# Altium PCB graviton.PcbDoc (part 7 of 15)
Units mm, origin at the board's own origin, x right, y up, seen from the top; angles counter-clockwise.
Board outline 200 x 200 mm, 10 copper layers (TOP, POLYGON1, S1, POLYGON2, POLYGON3, POLYGON4, POLYGON5, S2, POLYGON6, BOT), stack 1.751 mm thick; 1317 components, 712 nets, 5121 pads, 3994 vias.
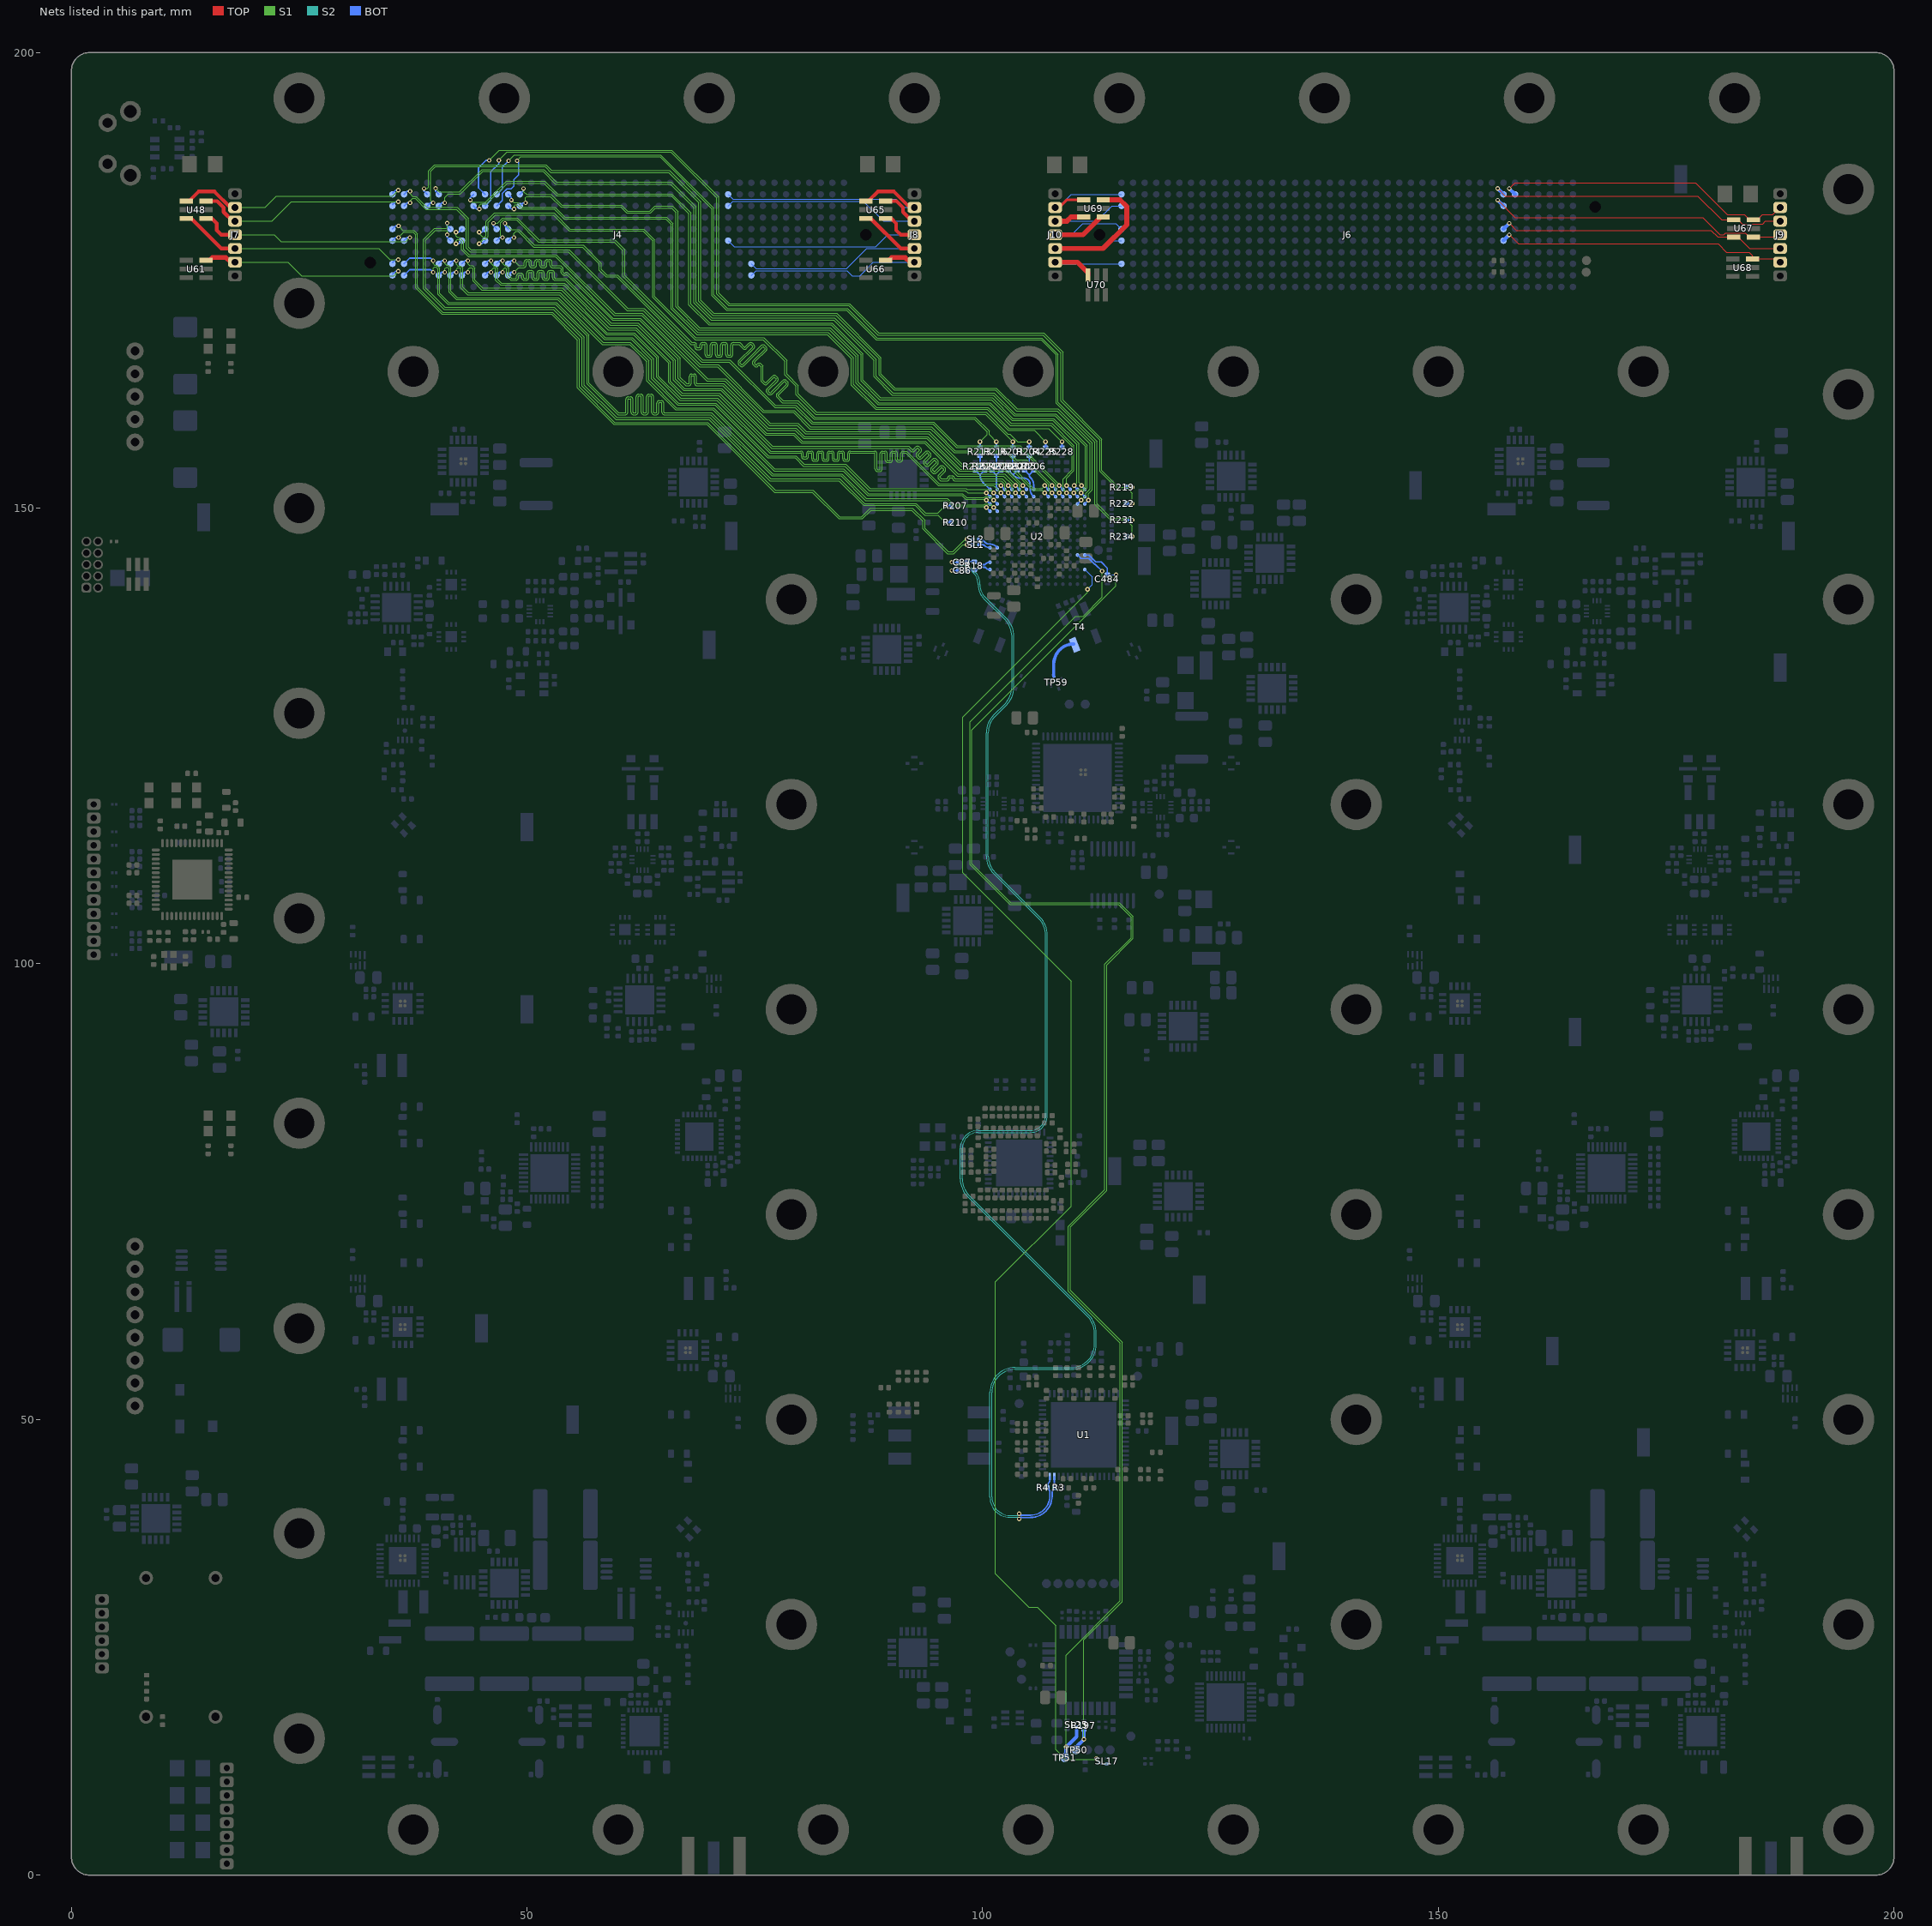
[diagram p15: the nets of this part, all layers, seen from the top]

## Via types
v1: diameter 0.75, hole 0.5, TOP to BOT, tented both sides, 2608 vias
v2: diameter 0.508, hole 0.254, TOP to BOT, tented both sides, 628 vias
v3: diameter 0.483, hole 0.254, TOP to BOT, tented both sides, 455 vias
v4: diameter 0.5, hole 0.3, TOP to BOT, tented both sides, 169 vias
v5: diameter 0.635, hole 0.254, TOP to BOT, tented both sides, 86 vias
v6: diameter 0.5, hole 0.254, TOP to BOT, tented both sides, 48 vias

## Nets (pads, with @x,y where several pads share a name; then routed paths per layer and width w, separated by ;. In a path a pad name is that pad's centre, name@x,y a point inside that pad or via, vN(x,y) a via of type N, cw(c..) or ccw(c..) an arc to the next point about the centre after c; other vN are vias at no path point) (continued)
D2_28_P: T4.4 TP59.A | length 4.8
  BOT w0.356: TP59.A@107.796,131.578 107.796,132.906 cw(c109.993,132.906) T4.4@109.993,135.103
D12_T_27_N: R216.1 R217.1 R218.2 U2.B1 | length 5.5
  BOT w0.178: R216.1@101.5,155.755 101.5,154.655 ; U2.B1@101.6,152.07 cw(c101.841,152.311) 101.5,152.311 101.5,153.655 ; 101.5,153.655 R218.2@102,154.155 101.5,154.655 ; 101.5,153.655 R217.1@101,154.155 101.5,154.655
D12_T_27_P: R213.1 R214.1 R215.2 U2.A1 | length 5.9
  BOT w0.178: R213.1@99.7,155.755 99.7,154.655 ; U2.A1@100.8,152.07 100.043,152.827 cw(c100.871,153.655) 99.7,153.655 ; 99.7,153.655 R215.2@99.2,154.155 99.7,154.655 ; 99.7,153.655 R214.1@100.2,154.155 99.7,154.655
DAC-CLK.C_2_N: C87.2 R4.1 U1.16 | length 144.2
  S2 w0.098: v3(96.6,144.075) 96.723,143.952 ccw(c97.3,144.528) 97.3,143.713 98.1,143.713 cw(c98.1,142.776) 98.763,143.438 99.15,143.05 cw(c97.824,141.724) 99.7,141.724 99.7,141.6 ccw(c101.629,141.6) 100.265,140.236 102.606,137.894 cw(c100.66,135.948) 103.413,135.948 103.413,130.353 cw(c100.66,130.353) 102.606,128.406 101.344,127.144 ccw(c103.14,125.348) 100.6,125.348 100.6,111.853 ccw(c103.14,111.853) 101.344,110.057 106.294,105.107 cw(c104.347,103.161) 107.1,103.161 107.1,83.387 cw(c105.213,83.387) 105.213,81.5 99.5,81.5 ccw(c99.5,79.75) 97.75,79.75 97.75,76.403 ccw(c100.29,76.403) 98.494,74.607 111.656,61.444 cw(c109.71,59.498) 112.463,59.498 112.463,58.253 cw(c109.71,58.253) 109.71,55.5 103.54,55.5 ccw(c103.54,52.96) 101,52.96 101,41.48 ccw(c103,41.48) 103,39.48 103.821,39.48 ccw(c103.821,39.659) v3(104,39.659)
  BOT w0.159: v3(96.6,144.075) 96.605,144.07 C87.2@97.349,144.07 ; v3(104,39.659) ccw(c104.159,39.659) 104.159,39.5 105.25,39.5 ccw(c105.25,41.614) 107.364,41.614 107.364,42 ccw(c106.805,42) 107.2,42.395 R4.1@107.07,42.525 107.07,42.595 cw(c107.818,42.595) 107.289,43.123 ccw(c107.142,43.271) 107.35,43.271 U1.16@107.35,43.75
DAC-CLK.C_2_P: C86.2 R3.1 U1.15 | length 144.5
  S2 w0.098: v3(96.601,143.155) 96.696,143.25 cw(c97.3,142.646) 97.3,143.5 98.1,143.5 cw(c98.1,142.776) 98.612,143.288 99,142.9 cw(c97.824,141.724) 99.487,141.724 99.487,141.6 ccw(c101.629,141.6) 100.115,140.085 102.456,137.744 cw(c100.66,135.948) 103.2,135.948 103.2,130.353 cw(c100.66,130.353) 102.456,128.557 101.194,127.294 ccw(c103.14,125.348) 100.387,125.348 100.387,111.853 ccw(c103.14,111.853) 101.194,109.906 106.143,104.957 cw(c104.347,103.161) 106.887,103.161 106.887,83.387 cw(c105.213,83.387) 105.213,81.713 99.5,81.713 ccw(c99.5,79.75) 97.537,79.75 97.537,76.403 ccw(c100.29,76.403) 98.344,74.456 111.506,61.294 cw(c109.71,59.498) 112.25,59.498 112.25,58.253 cw(c109.71,58.253) 109.71,55.713 103.54,55.713 ccw(c103.54,52.96) 100.787,52.96 100.787,41.48 ccw(c103,41.48) 103,39.267 103.821,39.267 cw(c103.821,39.088) v3(104,39.088)
  BOT w0.159: v3(96.601,143.155) 96.606,143.15 C86.2@97.35,143.15 ; 104.25,39.247 105.25,39.247
  BOT w0.17: v3(104,39.088) cw(c104.159,39.088) 104.159,39.247 104.25,39.247 ; 105.25,39.247 ccw(c105.25,41.614) 107.617,41.614 107.617,42 cw(c108.189,42) 107.785,42.405 R3.1@107.905,42.525 107.905,42.91 cw(c108.038,43.043) 107.85,43.043 U1.15@107.85,43.75
DAC-CS_2: C484.1 R197.1 TP50.1 U2.P10 | length 162.6
  S1 w0.098: v2(111.1,14.9) 111.1,25.819 115.298,30.018 115.298,58.482 109.598,64.182 109.598,71.118 113.606,75.126 113.606,99.895 116.498,102.787 116.498,105.182 114.981,106.7 103.081,106.7 98.8,110.981 98.8,125.648 114.625,141.473 v3(114.625,142.7)
  BOT w0.1: C484.1@113.845,142.7 v3(114.625,142.7)
  BOT w0.159: U2.P10@111.2,144.87 111.63,144.87 112.4,144.1 113,144.1 113.675,143.425 C484.1@113.675,142.68
  BOT w0.4: TP50.1@110.4,13.9 110.4,14.2 v2(111.1,14.9) R197.1@111.1,15.998
DAC-LVDS.DAC-D0_2_N: J4.88 R222.2 | length 104.1
  S1 w0.098: v3(46.9,188.175) 47.806,189.081 65.794,189.081 70.818,184.057 70.818,173.532 72.113,172.237 85.284,172.237 88.515,169.006 106.62,169.006 108.593,167.033 108.593,161.737 112.852,157.479 112.852,154.048 114.813,152.087 115.963,152.087 116.4,151.65 v2(116.4,150.5)
  BOT w0.159: J4.88@45.395,183.175 46.025,183.805 46.025,186.925 46.9,187.8 v3@46.9,188.15
  BOT w0.178: R222.2@115.745,150.5 v2(116.4,150.5)
DAC-LVDS.DAC-D0_2_P: J4.89 R219.2 | length 103
  S1 w0.098: v3(45.85,188.175) 46.969,189.294 65.882,189.294 71.031,184.145 71.031,173.62 72.202,172.45 85.373,172.45 88.603,169.219 106.708,169.219 108.806,167.121 108.806,161.825 113.065,157.567 113.065,154.136 114.901,152.3 v2(116.4,152.3)
  BOT w0.159: J4.89@45.395,184.445 44.675,185.165 44.675,187.35 45.5,188.175 v3(45.85,188.175)
  BOT w0.178: R219.2@115.745,152.3 v2(116.4,152.3)
DAC-LVDS.DAC-D1_2_N: J4.39 U2.P3 | length 103.3
  S1 w0.098: v3(38.7,185.08) 39.057,185.08 39.212,185.235 39.212,187.038 39.868,187.694 52.057,187.694 52.688,187.063 65.613,187.063 69.056,183.62 69.056,172.821 70.49,171.387 83.965,171.387 88.831,166.521 88.831,164.72 90.377,163.174 101.483,163.174 103.769,160.887 108.242,160.887 112.002,157.127 112.002,152.001 111.6,151.599 v2(111.6,150.87)
  BOT w0.159: v3(38.7,185.08) 38.7,184.79 J4.39@39.045,184.445 ; U2.P3@111.2,150.47 v2(111.6,150.87)
DAC-LVDS.DAC-D1_2_P: J4.38 U2.N3 | length 104.1
  S1 w0.098: v3(39.7,183.518) 39.425,183.793 39.425,186.95 39.956,187.481 51.969,187.481 52.6,186.85 65.525,186.85 68.843,183.532 68.843,172.733 70.402,171.175 83.877,171.175 88.618,166.433 88.618,164.632 90.289,162.961 101.395,162.961 103.681,160.675 108.154,160.675 111.79,157.039 111.79,152.09 111.325,151.625 111.325,151.395 v2(110.8,150.87)
  BOT w0.159: J4.38@39.045,183.175 39.388,183.518 v3(39.7,183.518) ; U2.N3@110.4,150.47 v2(110.8,150.87)
DAC-LVDS.DAC-D2_2_N: J4.49 U2.P2 | length 99.4
  S1 w0.098: v3(39.972,185.1) 40.372,184.7 42.599,184.7 45.062,187.163 51.837,187.163 53.212,185.788 65.812,185.788 68.525,183.075 68.525,172.601 70.27,170.856 83.745,170.856 88.3,166.301 88.3,164.5 90.157,162.643 101.263,162.643 103.549,160.356 108.022,160.356 111.471,156.907 111.471,152.227 110.914,151.67 v2(110.8,151.67)
  BOT w0.159: v3(39.972,185.1) 39.972,184.788 J4.49@40.315,184.445 ; v2(110.8,151.67) U2.P2@111.2,151.27
DAC-LVDS.DAC-D2_2_P: J4.48 U2.N2 | length 99.1
  S1 w0.098: v3(40.97,183.518) 40.97,184.107 41.35,184.487 42.687,184.487 45.15,186.95 51.749,186.95 53.124,185.575 65.724,185.575 68.312,182.987 68.312,172.513 70.182,170.643 83.657,170.643 88.087,166.213 88.087,164.412 90.069,162.43 101.175,162.43 103.461,160.143 107.934,160.143 111.259,156.819 111.259,152.315 111.022,152.079 110.409,152.079 v2(110,151.67)
  BOT w0.159: J4.48@40.315,183.175 40.658,183.518 v3(40.97,183.518) ; v2(110,151.67) U2.N2@110.4,151.27
DAC-LVDS.DAC-D3_2_N: J4.79 U2.P1 | length 93.4
  S1 w0.098: v3(43.782,183.81) 43.992,183.6 45.449,183.6 47.737,185.888 51.938,185.888 53.338,184.488 65.888,184.488 67.975,182.401 67.975,172.4 70.05,170.325 83.478,170.325 86.862,166.941 86.862,164.04 88.791,162.112 101.043,162.112 103.329,159.825 107.802,159.825 110.547,157.08 110.547,152.791 v2(110.855,152.482)
  BOT w0.159: v3(43.782,183.81) 43.782,184.102 J4.79@44.125,184.445 ; v2@110.8,152.47 110.821,152.449 U2.P1@111.2,152.07
DAC-LVDS.DAC-D3_2_P: J4.78 U2.N1 | length 92.4
  S1 w0.098: v3(44.76,182.832) 44.76,183.2 44.947,183.387 45.537,183.387 47.825,185.675 51.85,185.675 53.25,184.275 65.8,184.275 67.762,182.313 67.762,172.312 69.962,170.112 83.39,170.112 86.65,166.853 86.65,163.952 88.703,161.899 100.955,161.899 103.241,159.612 107.714,159.612 110.334,156.992 110.334,152.786 v2(110.03,152.482)
  BOT w0.159: J4.78@44.125,183.175 44.468,182.832 v3(44.76,182.832) ; v2@110,152.47 110.009,152.461 U2.N1@110.4,152.07
DAC-LVDS.DAC-D4_2_N: J4.119 U2.M1 | length 86.6
  S1 w0.098: v3(49.61,185.08) 49.61,184.753 49.95,184.413 52.662,184.413 53.812,183.263 60.362,183.263 61.025,182.6 63.474,182.6 64.011,183.137 65.964,183.137 66.556,182.545 66.556,172.171 68.933,169.794 83.258,169.794 86.331,166.721 86.331,163.82 88.571,161.58 100.823,161.58 103.109,159.294 107.582,159.294 110.016,156.86 110.016,154.115 109.2,153.299 v2(109.2,152.47)
  BOT w0.159: J4.119@49.205,184.445 49.61,184.85 v3(49.61,185.08) v3@49.61,185.1 ; v2(109.2,152.47) U2.M1@109.6,152.07
DAC-LVDS.DAC-D4_2_P: J4.118 U2.M2 | length 87.1
  S1 w0.098: v3(49.835,183.515) 49.835,184.085 49.95,184.2 52.574,184.2 53.724,183.05 60.274,183.05 60.937,182.387 63.562,182.387 64.099,182.924 65.876,182.924 66.343,182.457 66.343,172.083 68.845,169.581 83.17,169.581 86.118,166.633 86.118,163.732 88.483,161.368 100.735,161.368 103.021,159.081 107.494,159.081 109.803,156.772 109.803,154.203 108.808,153.208 108.808,152.062 v2(109.2,151.67)
  BOT w0.159: J4.118@49.205,183.175 49.53,183.5 v3@49.8,183.5 ; v2(109.2,151.67) U2.M2@109.6,151.27
DAC-LVDS.DAC-D5_2_N: J4.106 U2.L1 | length 74.5
  S1 w0.098: v3(47.574,181.254) 48.241,180.588 49.112,180.588 50.825,178.875 56.151,178.875 58.15,176.876 58.15,176.2 58.75,175.6 59.916,175.6 69.248,166.268 72.274,166.268 77.274,161.268 79.525,161.268 81.338,159.456 94.591,159.456 97.184,156.863 104.113,156.863 108.4,152.576 v2(108.4,152.47)
  BOT w0.159: v3(47.574,181.254) 47.574,180.996 J4.106@47.935,180.635 ; v2(108.4,152.47) U2.L1@108.8,152.07
DAC-LVDS.DAC-D5_2_P: J4.105 U2.L2 | length 74.3
  S1 w0.098: v3(48.565,179.708) 48.565,180.14 48.8,180.375 49.024,180.375 50.737,178.662 56.063,178.662 57.937,176.788 57.937,176.112 58.662,175.387 59.828,175.387 69.16,166.055 72.186,166.055 77.186,161.055 79.437,161.055 81.249,159.243 94.503,159.243 97.096,156.65 104.025,156.65 108.003,152.672 108.003,152.067 v2(108.4,151.67)
  BOT w0.159: J4.105@47.935,179.365 48.275,179.705 v3@48.565,179.705 ; v2(108.4,151.67) U2.L2@108.8,151.27
DAC-LVDS.DAC-D6_2_N: J4.19 U2.K1 | length 87.2
  S1 w0.098: v3(37.16,184.788) 37.16,184.503 37.45,184.213 37.812,184.213 39.012,183.013 42.338,183.013 43.556,181.795 43.556,178.645 43.857,178.344 54.631,178.344 61.07,171.905 62.86,171.905 69.028,165.737 70.998,165.737 75.998,160.737 79.305,160.737 81.118,158.925 94.371,158.925 94.985,158.31 96.98,156.316 102.655,156.316 103.674,155.297 104.844,155.297 107.6,152.541 v2(107.6,152.47)
  BOT w0.159: J4.19@36.505,184.445 36.848,184.788 v3(37.16,184.788) ; v2(107.6,152.47) U2.K1@108,152.07
DAC-LVDS.DAC-D6_2_P: J4.18 U2.K2 | length 87.7
  S1 w0.098: v3(37.16,183.518) 37.16,183.71 37.45,184 37.724,184 38.924,182.8 42.25,182.8 43.343,181.707 43.343,178.557 43.769,178.131 54.543,178.131 60.982,171.692 62.772,171.692 68.94,165.524 70.91,165.524 75.91,160.524 79.217,160.524 81.029,158.712 94.283,158.712 94.835,158.16 96.892,156.103 102.567,156.103 103.586,155.084 104.756,155.084 107.208,152.632 107.208,152.062 v2(107.6,151.67)
  BOT w0.159: J4.18@36.505,183.175 36.848,183.518 v3(37.16,183.518) ; v2(107.6,151.67) U2.K2@108,151.27
DAC-LVDS.DAC-D7_2_N: J4.66 U2.J1 | length 78.5
  S1 w0.098: v3(42.2,180.292) 42.2,179.863 42.35,179.713 42.588,179.713 43.025,179.276 43.025,178.425 43.637,177.813 53.224,177.813 59.662,171.374 62.64,171.374 69.821,164.193 71.791,164.193 76.684,159.3 79.744,159.3 80.651,158.393 94.151,158.393 95.885,156.66 97.732,154.812 100.886,154.812 ; 100.887,154.813 102.928,154.813 105.565,152.176 106.506,152.176 v2(106.8,152.47)
  BOT w0.159: v3(42.2,180.292) 42.512,180.292 J4.66@42.855,180.635 ; v2(106.8,152.47) U2.J1@107.2,152.07
DAC-LVDS.DAC-D7_2_P: J4.65 U2.J2 | length 78.4
  S1 w0.098: v3(42.2,179.022) 42.2,179.35 42.35,179.5 42.5,179.5 42.812,179.188 42.812,178.337 43.549,177.6 53.135,177.6 59.574,171.161 62.552,171.161 69.733,163.98 71.703,163.98 76.596,159.087 79.656,159.087 80.563,158.181 94.063,158.181 96.747,155.497 97.644,154.6 100.975,154.6 102.84,154.6 105.477,151.964 106.506,151.964 v2(106.8,151.67)
  BOT w0.159: v3(42.2,179.022) 42.512,179.022 J4.65@42.855,179.365 ; v2(106.8,151.67) U2.J2@107.2,151.27
DAC-LVDS.DAC-D8_2_N: J4.103 U2.F1 | length 74
  S1 w0.098: v3(48.59,177.168) 48.59,177.148 49.125,176.613 49.63,176.613 ccw(c49.63,176.676) 49.693,176.676 49.693,177.006 cw(c49.969,177.006) 49.969,177.282 50.195,177.282 cw(c50.195,177.006) 50.471,177.006 50.471,176.676 ccw(c50.534,176.676) 50.534,176.613 50.76,176.613 ccw(c50.76,176.676) 50.823,176.676 50.823,177.006 cw(c51.099,177.006) 51.099,177.282 51.325,177.282 cw(c51.325,177.006) 51.601,177.006 51.601,176.676 ccw(c51.664,176.676) 51.664,176.613 51.89,176.613 ccw(c51.89,176.676) 51.954,176.676 51.954,177.006 cw(c52.229,177.006) 52.229,177.282 52.455,177.282 cw(c52.455,177.006) 52.731,177.006 52.731,176.676 ccw(c52.795,176.676) 52.795,176.613 53.672,176.613 53.907,176.378 cw(c53.733,176.204) 53.979,176.204 cw(c53.733,176.204) 53.907,176.03 ccw(c53.952,175.985) 53.907,175.941 ; 53.907,175.94 54.067,175.78 ccw(c54.111,175.825) 54.156,175.78 cw(c54.33,175.606) 54.505,175.78 54.805,175.48 59.442,170.843 62.42,170.843 66.799,166.464 66.799,164.357 67.494,163.662 67.743,163.662 ccw(c67.743,163.725) 67.806,163.725 67.806,164.451 cw(c68.082,164.451) 68.082,164.727 68.308,164.727 cw(c68.308,164.451) 68.584,164.451 68.584,163.725 ccw(c68.647,163.725) 68.647,163.662 71.571,163.662 76.464,158.769 79.524,158.769 80.431,157.862 93.931,157.862 97.512,154.281 102.669,154.281 104.4,152.55 v2(104.4,152.47)
  BOT w0.159: J4.103@47.935,176.825 48.278,177.168 v3(48.59,177.168) ; v2(104.4,152.47) U2.F1@104.8,152.07
DAC-LVDS.DAC-D8_2_P: J4.102 U2.F2 | length 74.5
  S1 w0.098: v3(48.59,175.898) 49.092,176.4 49.63,176.4 ccw(c49.63,176.676) 49.906,176.676 49.906,177.006 cw(c49.969,177.006) 49.969,177.069 50.195,177.069 cw(c50.195,177.006) 50.258,177.006 50.258,176.676 ccw(c50.534,176.676) 50.534,176.4 50.76,176.4 ccw(c50.76,176.676) 51.036,176.676 51.036,177.006 cw(c51.099,177.006) 51.099,177.069 51.325,177.069 cw(c51.325,177.006) 51.388,177.006 51.388,176.676 ccw(c51.664,176.676) 51.664,176.4 51.89,176.4 ccw(c51.89,176.676) 52.166,176.676 52.166,177.006 cw(c52.229,177.006) 52.229,177.069 52.455,177.069 cw(c52.455,177.006) 52.519,177.006 52.519,176.676 ccw(c52.795,176.676) 52.795,176.4 53.584,176.4 53.756,176.228 ; 53.766,176.204 cw(c53.733,176.204) 53.756,176.18 ccw(c53.952,175.985) 53.756,175.79 53.916,175.63 ccw(c54.111,175.825) 54.307,175.63 cw(c54.33,175.606) 54.354,175.63 54.655,175.33 59.354,170.63 62.332,170.63 66.587,166.375 66.587,164.268 67.406,163.449 67.743,163.449 ccw(c67.743,163.725) 68.018,163.725 68.018,164.451 cw(c68.082,164.451) 68.082,164.514 68.308,164.514 cw(c68.308,164.451) 68.371,164.451 68.371,163.725 ccw(c68.647,163.725) 68.647,163.449 71.483,163.449 76.376,158.556 79.436,158.556 80.343,157.65 93.843,157.65 97.424,154.068 102.572,154.068 104.003,152.637 104.003,152.067 v2(104.4,151.67)
  BOT w0.159: J4.102@47.935,175.555 48.278,175.898 v3(48.59,175.898) ; v2(104.4,151.67) U2.F2@104.8,151.27
DAC-LVDS.DAC-D9_2_N: J4.93 U2.E1 | length 74.8
  S1 w0.098: v3(47.32,177.168) 47.32,176.843 47.55,176.613 47.712,176.613 47.975,176.35 47.975,175.575 48.319,175.231 48.777,175.231 ccw(c48.777,175.294) 48.84,175.294 48.84,175.488 cw(c49.116,175.488) 49.116,175.764 49.342,175.764 cw(c49.342,175.488) 49.618,175.488 49.618,175.294 ccw(c49.681,175.294) 49.681,175.231 49.907,175.231 ccw(c49.907,175.294) 49.97,175.294 49.97,175.806 cw(c50.246,175.806) 50.246,176.082 50.472,176.082 cw(c50.472,175.806) 50.748,175.806 50.748,175.294 ccw(c50.811,175.294) 50.811,175.231 51.037,175.231 ccw(c51.037,175.294) 51.1,175.294 51.1,175.806 cw(c51.376,175.806) 51.376,176.082 51.602,176.082 cw(c51.602,175.806) 51.878,175.806 51.878,175.294 ccw(c51.942,175.294) 51.942,175.231 52.168,175.231 ccw(c52.168,175.294) 52.231,175.294 52.231,175.806 cw(c52.507,175.806) 52.507,176.082 52.733,176.082 cw(c52.733,175.806) 53.009,175.806 53.009,175.294 ccw(c53.072,175.294) 53.072,175.231 54.303,175.231 59.222,170.312 62.2,170.312 66.268,166.244 66.268,164.137 67.274,163.131 71.351,163.131 76.244,158.238 79.304,158.238 80.211,157.331 93.711,157.331 97.292,153.75 102.425,153.75 103.6,152.575 v2(103.6,152.47)
  BOT w0.159: J4.93@46.665,176.825 47.008,177.168 v3(47.32,177.168) ; v2(103.6,152.47) U2.E1@104,152.07
DAC-LVDS.DAC-D9_2_P: J4.92 U2.E2 | length 75.3
  S1 w0.098: v3(47.32,175.898) 47.32,176.17 47.55,176.4 47.624,176.4 47.762,176.262 47.762,175.487 48.231,175.018 48.777,175.018 ccw(c48.777,175.294) 49.053,175.294 49.053,175.488 cw(c49.116,175.488) 49.116,175.552 49.342,175.552 cw(c49.342,175.488) 49.405,175.488 49.405,175.294 ccw(c49.681,175.294) 49.681,175.018 49.907,175.018 ccw(c49.907,175.294) 50.183,175.294 50.183,175.806 cw(c50.246,175.806) 50.246,175.869 50.472,175.869 cw(c50.472,175.806) 50.535,175.806 50.535,175.294 ccw(c50.811,175.294) 50.811,175.018 51.037,175.018 ccw(c51.037,175.294) 51.313,175.294 51.313,175.806 cw(c51.376,175.806) 51.376,175.869 51.602,175.869 cw(c51.602,175.806) 51.666,175.806 51.666,175.294 ccw(c51.942,175.294) 51.942,175.018 52.168,175.018 ccw(c52.168,175.294) 52.443,175.294 52.443,175.806 cw(c52.507,175.806) 52.507,175.869 52.733,175.869 cw(c52.733,175.806) 52.796,175.806 52.796,175.294 ccw(c53.072,175.294) 53.072,175.018 54.215,175.018 59.134,170.099 62.112,170.099 66.055,166.155 66.055,164.048 67.186,162.918 71.263,162.918 76.156,158.025 79.216,158.025 80.123,157.118 93.623,157.118 97.204,153.537 102.303,153.537 103.203,152.637 103.203,152.067 v2(103.6,151.67)
  BOT w0.159: J4.92@46.665,175.555 47.008,175.898 v3(47.32,175.898) ; v2(103.6,151.67) U2.E2@104,151.27
DAC-LVDS.DAC-D10_2_N: J4.83 U2.D1 | length 78.1
  S1 w0.098: v3(46.05,177.168) 46.05,176.863 46.325,176.588 46.5,176.588 46.75,176.338 46.75,175.125 47.175,174.7 54.083,174.7 59.002,169.78 61.98,169.78 65.737,166.024 65.737,163.917 67.054,162.6 71.131,162.6 76.931,156.8 91.876,156.8 92.261,156.415 ccw(c92.306,156.459) 92.35,156.414 92.655,156.719 cw(c92.85,156.524) 93.045,156.719 93.205,156.559 cw(c93.01,156.364) 93.286,156.364 cw(c93.01,156.364) 93.205,156.169 92.901,155.865 ccw(c92.945,155.82) 92.901,155.775 93.061,155.616 ccw(c93.105,155.66) 93.15,155.616 93.717,156.183 cw(c93.913,155.988) 94.108,156.183 94.268,156.024 cw(c94.073,155.828) 94.349,155.828 cw(c94.073,155.828) 94.268,155.633 93.7,155.065 ccw(c93.745,155.021) 93.7,154.976 93.86,154.816 ccw(c93.905,154.861) 93.949,154.816 ; 93.949,154.816 94.517,155.384 cw(c94.712,155.189) 94.907,155.384 ; 94.907,155.384 95.067,155.224 cw(c94.872,155.029) 95.148,155.029 cw(c94.872,155.029) 95.067,154.834 ; 95.067,154.834 94.499,154.266 ccw(c94.544,154.222) 94.499,154.177 94.659,154.017 ccw(c94.704,154.062) 94.748,154.017 95.316,154.585 ; 95.316,154.585 cw(c95.511,154.39) 95.706,154.585 95.866,154.425 ; 95.866,154.425 cw(c95.671,154.23) 95.947,154.23 cw(c95.671,154.23) 95.866,154.035 95.298,153.467 ccw(c95.343,153.422) 95.299,153.378 95.457,153.219 96.081,153.219 ccw(c96.081,153.268) 96.131,153.268 cw(c96.407,153.268) 96.407,153.544 96.633,153.544 cw(c96.633,153.268) 96.909,153.268 ccw(c96.958,153.268) 96.958,153.219 102.122,153.219 102.8,152.541 v2(102.8,152.47)
  BOT w0.159: J4.83@45.395,176.825 45.738,177.168 v3(46.05,177.168) ; v2(102.8,152.47) U2.D1@103.2,152.07